# Allegro board SDHCalFEB.brd (continued)
## Routing (per net, layer and track width the routed paths; a pad name or vN(x,y) marks a point on that pad's centre or on a via; arc(x,y) is an arc through that point) (continued)
GEM_OUT_H22: length 9.5
  TOP w0.127: R605.1 80.71,232.2 v2(79.76,232.2) 79.75,232.2 78.84,232.2 R1684.2
  GND1 w0.127: v3(79.02,232.2) v2(79.76,232.2)
  SIG3 w0.127: v3(72.94,232.2) v3(79.02,232.2)
  GND3 w0.127: v4(72.2,232.2) v3(72.94,232.2)
GEM_OUT_H23: length 3.9
  TOP w0.127: R1681.2 82.2,229.24 v2(82.2,230.73) 83.16,230.73 R606.1
  GND1 w0.127: v3(82.2,231.46) v2(82.2,230.73)
  GND3 w0.127: v4(82.2,232.2) v3(82.2,231.46)
GEM_OUT_H24: length 4
  TOP w0.127: R1703.2 91.45,233.4 91.46,233.38 v2(91.46,232.94) 91.46,232.93 R607.1
  GND1 w0.127: v2(91.46,232.94) v3(92.2,232.94)
  GND3 w0.127: v4(92.2,232.2) v3(92.2,232.94)
GEM_OUT_H25: length 48
  TOP w0.127: R1736.2 24.16,240.59 v2(24.16,240.59) R608.1
  GND1 w0.127: v3(24.16,239.85) v2(24.16,240.59)
  SIG3 w0.127: v3(24.16,239.85) 41.22,222.79 54.86,222.79 55.45,222.2 v3(61.46,222.2)
  GND3 w0.127: v4(62.2,222.2) v3(61.46,222.2)
GEM_OUT_H26: length 30.7
  TOP w0.127: R609.1 v2(21.49,240.59) 21.49,240.59 R1744.2
  GND1 w0.127: v3(21.49,239.85) v2(21.49,240.59)
  SIG3 w0.127: v3(21.49,239.85) 39.14,222.2 v3(41.46,222.2)
  GND3 w0.127: v4(42.2,222.2) v3(41.46,222.2)
GEM_OUT_H27: length 38.8
  TOP w0.127: R1732.2 96.53,237.12 v2(96.52,237.11) R610.1
  GND1 w0.127: v2(96.52,237.11) v3(96.52,236.37)
  SIG3 w0.127: v3(71.46,222.2) 72.29,222.2 74.09,224 87.48,224 90.75,227.28 94.95,227.28 96.52,228.85 v3(96.52,236.37)
  GND3 w0.127: v4(72.2,222.2) v3(71.46,222.2)
GEM_OUT_H28: length 3.4
  TOP w0.127: R1728.2 82.93,221.47 v2(82.94,221.46) 82.95,221.47 R611.1
  GND1 w0.127: v2(82.94,221.46) 82.8,221.46 82.2,221.46 v3(82.2,221.46)
  GND3 w0.127: v4(82.2,222.2) v3(82.2,221.46)
GEM_OUT_H29: length 3.5
  TOP w0.127: R1724.2 92.91,221.44 v2(92.94,221.46) 92.95,221.45 R612.1
  GND1 w0.127: v3(92.2,221.46) v2(92.94,221.46)
  GND3 w0.127: v4(92.2,222.2) v3(92.2,221.46)
GEM_OUT_H31: length 32.3
  TOP w0.127: R614.1 v2(23.24,218.8) 22.29,218.8 R1740.2
  GND1 w0.127: v2(23.24,218.8) v3(23.98,218.8)
  SIG3 w0.127: v3(23.98,218.8) 39.32,218.8 42.72,222.2 v3(51.26,222.2)
  GND3 w0.127: v4(52.2,222.2) v3(51.26,222.2)
GEM_OUT_H34: length 22.4
  TOP w0.127: R1768.2 22.44,216.15 v2(23.39,216.15) R617.1
  GND1 w0.127: v3(24.13,216.15) v2(23.39,216.15)
  SIG3 w0.127: v3(41.46,212.2) 28.08,212.2 v3(24.13,216.15)
  GND3 w0.127: v4(42.2,212.2) v3(41.46,212.2)
GEM_OUT_H36: length 41
  TOP w0.127: R1764.2 21.23,193.72 v2(21.23,193.73) R619.1
  GND1 w0.127: v3(21.23,194.46) v2(21.23,193.73)
  SIG3 w0.127: v3(51.46,212.2) 49.91,210.64 37.41,210.64 v3(21.23,194.46)
  GND3 w0.127: v4(52.2,212.2) v3(51.46,212.2)
GEM_OUT_H37: length 4
  TOP w0.127: R620.1 93.95,212.94 v2(93.01,212.94) 93.01,212.49 93.01,212.48 R1748.2
  GND1 w0.127: v3(93.01,212.2) v2(93.01,212.94)
  GND3 w0.127: v4(92.2,212.2) v3(93.01,212.2)
GEM_OUT_H38: length 3.9
  TOP w0.127: R1752.2 82.95,212.17 82.94,212.19 v2(82.94,212.94) 83.06,213.06 R621.1
  GND1 w0.127: v3(82.94,212.2) v2(82.94,212.94)
  GND3 w0.127: v4(82.2,212.2) v3(82.94,212.2)
GEM_OUT_H39: length 19.2
  TOP w0.127: R622.1 v2(86.79,214.07) 86.79,213.63 86.79,213.62 R1756.2
  GND1 w0.127: v3(86.06,214.07) v2(86.79,214.07)
  SIG3 w0.127: v3(71.46,212.2) 74.86,212.2 75.92,213.26 83.92,213.26 84.73,214.07 v3(86.06,214.07)
  GND3 w0.127: v4(72.2,212.2) v3(71.46,212.2)
GEM_OUT_H40: length 48.1
  TOP w0.127: R623.1 v2(24.1,193.7) 24.1,193.7 R1760.2
  GND1 w0.127: v3(24.1,194.44) v2(24.1,193.7)
  SIG3 w0.127: v3(24.1,194.44) 39.19,209.52 58.79,209.52 v3(61.46,212.2)
  GND3 w0.127: v4(62.2,212.2) v3(61.46,212.2)
GEM_OUT_H42: length 28.9
  TOP w0.127: R1788.2 30.27,192.25 v2(30.27,192.25) R625.1
  GND1 w0.127: v2(30.27,192.25) v3(30.27,192.99)
  SIG3 w0.127: v3(30.27,192.99) 36.39,199.11 49.85,199.11 v3(52.2,201.46)
  GND3 w0.127: v4(52.2,202.2) v3(52.2,201.46)
GEM_OUT_H45: length 35.4
  TOP w0.127: R1784.2 32.79,193.52 v2(32.78,193.52) R628.1
  GND1 w0.127: v3(32.78,194.26) v2(32.78,193.52)
  SIG3 w0.127: v3(61.68,201.68) 54.26,194.26 v3(32.78,194.26)
  GND3 w0.127: v4(62.2,202.2) v3(61.68,201.68)
GEM_OUT_H47: length 3.4
  TOP w0.127: R630.1 93.68,202.21 v2(93.67,202.2) 93.66,202.21 R1772.2
  GND1 w0.127: v3(92.94,202.2) v2(93.67,202.2)
  GND3 w0.127: v4(92.2,202.2) v3(92.94,202.2)
GEM_OUT_H48: length 4
  TOP w0.127: v2(83.67,202.2) 83.68,202.21 R631.1 84.65,200.71 R1776.2
  GND1 w0.127: v3(82.94,202.2) v2(83.67,202.2)
  GND3 w0.127: v4(82.2,202.2) v3(82.94,202.2)
GEM_OUT_H49: length 8.1
  TOP w0.127: v2(77.9,202.2) 78.83,202.2 R632.1 78.84,202.19 R1780.2
  GND1 w0.127: v3(77.17,202.2) v2(77.9,202.2)
  SIG3 w0.127: v3(72.94,202.2) v3(77.17,202.2)
  GND3 w0.127: v4(72.2,202.2) v3(72.94,202.2)
GEM_OUT_H50: length 3.4
  TOP w0.127: R1792.2 42.21,200.73 v2(42.2,200.73) 42.19,200.72 R633.1
  GND1 w0.127: v3(42.2,201.46) v2(42.2,200.73)
  GND3 w0.127: v4(42.2,202.2) v3(42.2,201.46)
GEM_OUT_H53: length 4
  TOP w0.127: R1816.2 40.72,190.73 v2(42.2,190.73) 42.2,189.74 R636.1
  GND1 w0.127: v3(42.2,191.46) v2(42.2,190.73)
  GND3 w0.127: v4(42.2,192.2) v3(42.2,191.46)
GEM_OUT_H54: length 3.4
  TOP w0.127: R1840.2 41.7,182.2 v2(40.73,182.2) 39.77,182.2 R637.1
  GND1 w0.127: v3(41.46,182.2) v2(40.73,182.2)
  GND3 w0.127: v4(42.2,182.2) v3(41.46,182.2)
GEM_OUT_H55: length 3.4
  TOP w0.127: R1836.2 51.68,182.2 v2(50.73,182.2) 49.74,182.2 R638.1
  GND1 w0.127: v3(51.46,182.2) v2(50.73,182.2)
  GND3 w0.127: v4(52.2,182.2) v3(51.46,182.2)
GEM_OUT_H56: length 4
  TOP w0.127: R1812.2 50.73,190.71 v2(50.73,192.2) 49.74,192.2 R639.1
  GND1 w0.127: v3(51.46,192.2) v2(50.73,192.2)
  GND3 w0.127: v4(52.2,192.2) v3(51.46,192.2)
GEM_OUT_H57: length 3.9
  TOP w0.127: R1832.2 60.73,180.73 v2(60.73,182.2) 59.78,182.2 R640.1
  GND1 w0.127: v3(61.46,182.2) v2(60.73,182.2)
  GND3 w0.127: v4(62.2,182.2) v3(61.46,182.2)
GEM_OUT_H58: length 3.4
  TOP w0.127: R1828.2 71.7,182.2 v2(70.73,182.2) 69.78,182.2 R641.1
  GND1 w0.127: v3(71.46,182.2) v2(70.73,182.2)
  GND3 w0.127: v4(72.2,182.2) v3(71.46,182.2)
GEM_OUT_H59: length 3.4
  TOP w0.127: R642.1 79.77,182.2 v2(80.73,182.2) 80.73,182.19 R1824.2
  GND1 w0.127: v3(81.46,182.2) v2(80.73,182.2)
  GND3 w0.127: v4(82.2,182.2) v3(81.46,182.2)
GEM_OUT_H60: length 3.4
  TOP w0.127: R1820.2 91.67,182.2 v2(90.73,182.2) 89.75,182.2 R643.1
  GND1 w0.127: v3(91.46,182.2) v2(90.73,182.2)
  GND3 w0.127: v4(92.2,182.2) v3(91.46,182.2)
GEM_OUT_H61: length 3.9
  TOP w0.127: R1796.2 93.7,190.73 v2(92.2,190.73) 92.2,189.76 R644.1
  GND1 w0.127: v3(92.2,191.46) v2(92.2,190.73)
  GND3 w0.127: v4(92.2,192.2) v3(92.2,191.46)
GEM_OUT_H62: length 3.9
  TOP w0.127: R645.1 82.2,189.76 v2(82.2,190.73) 83.69,190.73 R1800.2
  GND1 w0.127: v3(82.2,191.46) v2(82.2,190.73)
  GND3 w0.127: v4(82.2,192.2) v3(82.2,191.46)
GEM_OUT_H63: length 3.4
  TOP w0.127: R1804.2 72.2,191.68 v2(72.2,190.73) 72.2,189.77 R646.1
  GND1 w0.127: v3(72.2,191.46) v2(72.2,190.73)
  GND3 w0.127: v4(72.2,192.2) v3(72.2,191.46)
GEM_OUT_H64: length 3.4
  TOP w0.127: R647.1 61.69,192.2 v2(60.73,192.2) 60.71,192.2 R1808.2
  GND1 w0.127: v3(61.46,192.2) v2(60.73,192.2)
  GND3 w0.127: v4(62.2,192.2) v3(61.46,192.2)
GEM_OUT_I1: length 5
  TOP w0.127: R667.1 332.2,158.22 v2(332.2,160.73) 333.17,160.73 R1919.2
  GND1 w0.127: v3(332.2,161.46) v2(332.2,160.73)
  GND3 w0.127: v4(332.2,162.2) v3(332.2,161.46)
GEM_OUT_I2: length 3.4
  TOP w0.127: R668.1 332.2,174.65 v2(332.2,173.67) 332.2,172.7 R1912.2
  GND1 w0.127: v3(332.2,172.94) v2(332.2,173.67)
  GND3 w0.127: v4(332.2,172.2) v3(332.2,172.94)
GEM_OUT_I3: length 3.4
  TOP w0.127: R669.1 v2(322.2,163.67) 322.2,162.7 R1957.2
  GND1 w0.127: v3(322.2,162.94) v2(322.2,163.67)
  GND3 w0.127: v4(322.2,162.2) v3(322.2,162.94)
GEM_OUT_I4: length 4
  TOP w0.127: R670.1 319.76,172.2 v2(320.73,172.2) 320.73,172.2 R1936.2
  GND1 w0.127: v3(321.46,172.2) v2(320.73,172.2)
  GND3 w0.127: v4(322.2,172.2) v3(321.46,172.2)
GEM_OUT_I5: length 3.4
  TOP w0.127: R1958.2 312.2,162.73 v2(312.2,163.67) 312.19,163.68 R671.1
  GND1 w0.127: v3(312.2,162.94) v2(312.2,163.67)
  GND3 w0.127: v4(312.2,162.2) v3(312.2,162.94)
GEM_OUT_I6: length 1.5
  TOP w0.127: R2168.1 R672.1
GEM_OUT_I7: length 3.4
  TOP w0.127: R1961.2 v2(302.2,163.67) 302.2,164.64 R673.1
  GND1 w0.127: v3(302.2,162.94) v2(302.2,163.67)
  GND3 w0.127: v4(302.2,162.2) v3(302.2,162.94)
GEM_OUT_I8: length 4
  TOP w0.127: R1914.2 300.73,173.7 v2(300.73,172.2) 299.75,172.2 R674.1
  GND1 w0.127: v3(301.46,172.2) v2(300.73,172.2)
  GND3 w0.127: v4(302.2,172.2) v3(301.46,172.2)
GEM_OUT_I9: length 3.4
  TOP w0.127: R675.1 292.2,164.65 v2(292.2,163.67) 292.2,162.7 R1965.2
  GND1 w0.127: v3(292.2,162.94) v2(292.2,163.67)
  GND3 w0.127: v4(292.2,162.2) v3(292.2,162.94)
GEM_OUT_I10: length 3.4
  TOP w0.127: R676.1 292.2,174.64 v2(292.2,173.67) 292.2,172.72 R1945.2
  GND1 w0.127: v3(292.2,172.94) v2(292.2,173.67)
  GND3 w0.127: v4(292.2,172.2) v3(292.2,172.94)
GEM_OUT_I11: length 3.4
  TOP w0.127: R1947.2 282.2,172.73 v2(282.2,173.67) 282.2,174.65 R677.1
  GND1 w0.127: v3(282.2,172.94) v2(282.2,173.67)
  GND3 w0.127: v4(282.2,172.2) v3(282.2,172.94)
GEM_OUT_I12: length 3.4
  TOP w0.127: R1926.2 282.2,162.72 v2(282.2,163.67) 282.2,164.63 R678.1
  GND1 w0.127: v3(282.2,162.94) v2(282.2,163.67)
  GND3 w0.127: v4(282.2,162.2) v3(282.2,162.94)
GEM_OUT_I13: length 4
  TOP w0.127: R679.1 274.65,172.2 v2(273.67,172.2) 273.67,173.7 R1949.2
  GND1 w0.127: v3(272.94,172.2) v2(273.67,172.2)
  GND3 w0.127: v4(272.2,172.2) v3(272.94,172.2)
GEM_OUT_I14: length 3.5
  TOP w0.127: R680.1 262.2,169.76 v2(262.2,170.73) 262.2,171.73 R1952.2
  GND1 w0.127: v3(262.2,171.46) v2(262.2,170.73)
  GND3 w0.127: v4(262.2,172.2) v3(262.2,171.46)
GEM_OUT_I15: length 3.9
  TOP w0.127: v2(283.67,152.2) 282.72,152.2 R681.1 282.71,152.21 R1996.2
  GND1 w0.127: v3(282.94,152.2) v2(283.67,152.2)
  GND3 w0.127: v4(282.2,152.2) v3(282.94,152.2)
GEM_OUT_I16: length 3.4
  TOP w0.127: R1927.2 272.72,162.2 v2(273.67,162.2) 274.65,162.2 R682.1
  GND1 w0.127: v3(272.94,162.2) v2(273.67,162.2)
  GND3 w0.127: v4(272.2,162.2) v3(272.94,162.2)
GEM_OUT_I17: length 3.4
  TOP w0.127: R1973.2 262.71,162.2 v2(263.67,162.2) 264.65,162.2 R683.1
  GND1 w0.127: v3(262.94,162.2) v2(263.67,162.2)
  GND3 w0.127: v4(262.2,162.2) v3(262.94,162.2)
GEM_OUT_I18: length 38.7
  TOP w0.127: R1992.2 257.85,159.18 v2(258.83,159.18) R684.1
  GND1 w0.127: v3(259.56,159.18) v2(258.83,159.18)
  SIG3 w0.127: v3(259.56,159.18) 285.95,159.18 v3(292.2,152.94)
  GND3 w0.127: v4(292.2,152.2) v3(292.2,152.94)
GEM_OUT_I19: length 3.4
  TOP w0.127: R2000.2 274.64,152.2 v2(273.67,152.2) 272.71,152.2 R685.1
  GND1 w0.127: v3(272.94,152.2) v2(273.67,152.2)
  GND3 w0.127: v4(272.2,152.2) v3(272.94,152.2)
GEM_OUT_I20: length 3.4
  TOP w0.127: R686.1 263.17,153.67 v2(262.2,153.67) 261.22,153.67 R2004.2
  GND1 w0.127: v3(262.2,152.94) v2(262.2,153.67)
  GND3 w0.127: v4(262.2,152.2) v3(262.2,152.94)
GEM_OUT_I21: length 45.1
  TOP w0.127: R1988.2 258.78,151.41 v2(259.74,151.41) R687.1
  GND1 w0.127: v2(259.74,151.41) v3(260.48,151.41)
  SIG3 w0.127: v3(302.2,151.46) 261.08,151.46 261.02,151.41 v3(260.48,151.41)
  GND3 w0.127: v4(302.2,152.2) v3(302.2,151.46)
GEM_OUT_I22: length 9.3
  TOP w0.127: R1984.2 v2(319.56,152.2) 320.52,152.2 R688.1
  GND1 w0.127: v3(318.82,152.2) v2(319.56,152.2)
  SIG3 w0.127: v3(318.82,152.2) v3(312.94,152.2)
  GND3 w0.127: v4(312.2,152.2) v3(312.94,152.2)
GEM_OUT_I23: length 3.4
  TOP w0.127: R689.1 323.17,150.73 v2(322.2,150.73) 321.21,150.73 R1933.2
  GND1 w0.127: v3(322.2,151.46) v2(322.2,150.73)
  GND3 w0.127: v4(322.2,152.2) v3(322.2,151.46)
GEM_OUT_I24: length 4
  TOP w0.127: R690.1 330.49,152.94 v2(331.46,152.94) 331.46,154.43 R1974.2
  GND1 w0.127: v3(332.2,152.94) v2(331.46,152.94)
  GND3 w0.127: v4(332.2,152.2) v3(332.2,152.94)
GEM_OUT_I25: length 24
  TOP w0.127: R2024.2 272.48,144.27 R691.1 v2(271.5,144.26)
  GND1 w0.127: v3(272.02,143.73) v2(271.5,144.26)
  SIG3 w0.127: v3(291.4,142.2) 282.41,142.2 280.88,143.73 v3(272.02,143.73)
  GND3 w0.127: v4(292.2,142.2) v3(291.4,142.2)
GEM_OUT_I26: length 11.9
  TOP w0.127: R2028.2 274.06,142.04 R692.1 v2(273.1,142.05)
  GND1 w0.127: v3(273.84,142.05) v2(273.1,142.05)
  SIG3 w0.127: v3(273.84,142.05) 274.2,141.68 v3(281.68,141.68)
  GND3 w0.127: v4(282.2,142.2) v3(281.68,141.68)
GEM_OUT_I27: length 20
  TOP w0.127: R2016.2 328.77,144.65 v2(327.79,144.65) R693.1
  GND1 w0.127: v3(327.05,144.65) v2(327.79,144.65)
  SIG3 w0.127: v3(327.05,144.65) 325.7,143.31 314.07,143.31 312.44,141.68 v3(311.68,141.68)
  GND3 w0.127: v4(312.2,142.2) v3(311.68,141.68)
GEM_OUT_I28: length 3.4
  TOP w0.127: R694.1 324.63,142.2 v2(323.67,142.2) 322.71,142.2 R2012.2
  GND1 w0.127: v3(322.94,142.2) v2(323.67,142.2)
  GND3 w0.127: v4(322.2,142.2) v3(322.94,142.2)
GEM_OUT_I29: length 3.4
  TOP w0.127: R2008.2 332.7,142.2 v2(333.67,142.2) 334.64,142.2 R695.1
  GND1 w0.127: v3(332.94,142.2) v2(333.67,142.2)
  GND3 w0.127: v4(332.2,142.2) v3(332.94,142.2)
GEM_OUT_I30: length 3.4
  TOP w0.127: R696.1 270.72,142.19 v2(270.73,142.2) 270.73,142.2 R2032.2
  GND1 w0.127: v3(271.46,142.2) v2(270.73,142.2)
  GND3 w0.127: v4(272.2,142.2) v3(271.46,142.2)
GEM_OUT_I31: length 45.6
  TOP w0.127: R697.1 v2(261.57,147.29) 260.08,147.29 R2020.2
  GND1 w0.127: v2(261.57,147.29) v3(261.57,146.56)
  SIG3 w0.127: v3(301.46,142.2) 295.37,142.2 294.79,142.77 283.03,142.77 279.25,146.56 v3(261.57,146.56)
  GND3 w0.127: v4(302.2,142.2) v3(301.46,142.2)
GEM_OUT_I32: length 3.9
  TOP w0.127: R698.1 262.94,140.51 v2(262.94,141.46) 261.48,141.46 R2036.2
  GND1 w0.127: v2(262.94,141.46) v3(262.2,141.46)
  GND3 w0.127: v4(262.2,142.2) v3(262.2,141.46)
GEM_OUT_I33: length 3.9
  TOP w0.127: R2068.2 260.73,133.67 v2(262.2,133.67) 262.2,134.65 R699.1
  GND1 w0.127: v3(262.2,132.94) v2(262.2,133.67)
  GND3 w0.127: v4(262.2,132.2) v3(262.2,132.94)
GEM_OUT_I34: length 32.8
  TOP w0.127: R700.1 v2(263.19,127.77) 264.16,127.77 R2056.2
  GND1 w0.127: v3(263.93,127.77) v2(263.19,127.77)
  SIG3 w0.127: v3(263.93,127.77) 279.28,127.77 283.71,132.2 v3(291.46,132.2)
  GND3 w0.127: v4(292.2,132.2) v3(291.46,132.2)
GEM_OUT_I35: length 3.5
  TOP w0.127: R2064.2 270.75,132.2 v2(270.73,132.2) 269.77,132.2 R701.1
  GND1 w0.127: v3(271.46,132.2) v2(270.73,132.2)
  GND3 w0.127: v4(272.2,132.2) v3(271.46,132.2)
GEM_OUT_I36: length 36.8
  TOP w0.127: R2052.2 270.14,127.71 R702.1 v2(270.13,126.75)
  GND1 w0.127: v2(270.13,126.75) v3(270.87,126.75)
  SIG3 w0.127: v3(301.46,132.2) 299.06,129.79 282.73,129.79 279.68,126.75 v3(270.87,126.75)
  GND3 w0.127: v4(302.2,132.2) v3(301.46,132.2)
GEM_OUT_I37: length 4
  TOP w0.127: R703.1 332.2,134.67 v2(332.2,133.67) 333.69,133.67 R2040.2
  GND1 w0.127: v3(332.2,132.94) v2(332.2,133.67)
  GND3 w0.127: v4(332.2,132.2) v3(332.2,132.94)
GEM_OUT_I38: length 3.4
  TOP w0.127: R2044.2 322.71,132.2 v2(323.67,132.2) 324.63,132.2 R704.1
  GND1 w0.127: v3(322.94,132.2) v2(323.67,132.2)
  GND3 w0.127: v4(322.2,132.2) v3(322.94,132.2)
GEM_OUT_I39: length 22.3
  TOP w0.127: R705.1 v2(329.62,128.6) 330.59,128.6 R2048.2
  GND1 w0.127: v3(328.88,128.6) v2(329.62,128.6)
  SIG3 w0.127: v3(311.46,132.2) 312.38,132.2 315.98,128.6 v3(328.88,128.6)
  GND3 w0.127: v4(312.2,132.2) v3(311.46,132.2)
GEM_OUT_I40: length 7.6
  TOP w0.127: v2(280.73,132.2) 277.87,129.35 R706.1 275.76,129.35 R2060.2
  GND1 w0.127: v3(281.46,132.2) v2(280.73,132.2)
  GND3 w0.127: v4(282.2,132.2) v3(281.46,132.2)
GEM_OUT_I41: length 3.9
  TOP w0.127: R707.1 262.2,123.68 v2(262.2,123.67) 260.72,123.67 R2100.2
  GND1 w0.127: v3(262.2,122.94) v2(262.2,123.67)
  GND3 w0.127: v4(262.2,122.2) v3(262.2,122.94)
GEM_OUT_I42: length 36.5
  TOP w0.127: R708.1 v2(260.5,116.37) 259.53,116.37 R2088.2
  GND1 w0.127: v2(260.5,116.37) v3(261.24,116.37)
  SIG3 w0.127: v3(261.24,116.37) 287.1,116.37 v3(292.2,121.46)
  GND3 w0.127: v4(292.2,122.2) v3(292.2,121.46)
GEM_OUT_I43: length 4
  TOP w0.127: R709.1 v2(260.73,112.2) 260.73,110.71 R2131.2
  GND1 w0.127: v3(261.46,112.2) v2(260.73,112.2)
  GND3 w0.127: v4(262.2,112.2) v3(261.46,112.2)
GEM_OUT_I44: length 3.9
  TOP w0.127: v2(272.2,120.73) 271.23,120.73 R710.1 271.22,119.25 R2096.2
  GND1 w0.127: v3(272.2,121.46) v2(272.2,120.73)
  GND3 w0.127: v4(272.2,122.2) v3(272.2,121.46)
GEM_OUT_I45: length 35.1
  TOP w0.127: R2084.2 272.28,114.33 v2(273.75,114.33) R711.1
  GND1 w0.127: v3(273.75,115.06) v2(273.75,114.33)
  SIG3 w0.127: v3(273.75,115.06) 295.91,115.06 v3(302.2,121.35)
  GND3 w0.127: v4(302.2,122.2) v3(302.2,121.35)
GEM_OUT_I46: length 3.5
  TOP w0.127: R712.1 v2(271.46,111.46) 270.47,111.46 R2127.2
  GND1 w0.127: v3(272.2,111.46) v2(271.46,111.46)
  GND3 w0.127: v4(272.2,112.2) v3(272.2,111.46)
GEM_OUT_I47: length 4
  TOP w0.127: R713.1 332.21,123.68 v2(332.2,123.67) 333.69,123.67 R2072.2
  GND1 w0.127: v3(332.2,122.94) v2(332.2,123.67)
  GND3 w0.127: v4(332.2,122.2) v3(332.2,122.94)
GEM_OUT_I48: length 4
  TOP w0.127: R714.1 v2(323.67,122.2) 323.67,120.71 R2076.2
  GND1 w0.127: v3(322.94,122.2) v2(323.67,122.2)
  GND3 w0.127: v4(322.2,122.2) v3(322.94,122.2)
GEM_OUT_I49: length 8.9
  TOP w0.127: R2080.2 318.59,120.71 v2(318.59,122.2) 319.57,122.2 R715.1
  GND1 w0.127: v3(317.85,122.2) v2(318.59,122.2)
  SIG3 w0.127: v3(312.94,122.2) v3(317.85,122.2)
  GND3 w0.127: v4(312.2,122.2) v3(312.94,122.2)
GEM_OUT_I50: length 3.4
  TOP w0.127: R2092.2 282.2,121.68 v2(282.2,120.73) 282.2,119.77 R716.1
  GND1 w0.127: v3(282.2,121.46) v2(282.2,120.73)
  GND3 w0.127: v4(282.2,122.2) v3(282.2,121.46)
GEM_OUT_I51: length 3.4
  TOP w0.127: R717.1 262.2,104.65 v2(262.2,103.67) 262.2,102.74 R2163.2
  GND1 w0.127: v3(262.2,102.94) v2(262.2,103.67)
  GND3 w0.127: v4(262.2,102.2) v3(262.2,102.94)
GEM_OUT_I52: length 3.9
  TOP w0.127: R2159.2 269.24,102.2 v2(270.73,102.2) 270.73,103.14 R718.1
  GND1 w0.127: v3(271.46,102.2) v2(270.73,102.2)
  GND3 w0.127: v4(272.2,102.2) v3(271.46,102.2)
GEM_OUT_I53: length 3.9
  TOP w0.127: v2(282.2,110.73) 282.2,109.77 R719.1 280.72,109.76 R2123.2
  GND1 w0.127: v3(282.2,111.46) v2(282.2,110.73)
  GND3 w0.127: v4(282.2,112.2) v3(282.2,111.46)
GEM_OUT_I54: length 3.9
  TOP w0.127: R720.1 279.78,102.2 v2(280.73,102.2) 280.73,100.74 R2155.2
  GND1 w0.127: v3(281.46,102.2) v2(280.73,102.2)
  GND3 w0.127: v4(282.2,102.2) v3(281.46,102.2)
GEM_OUT_I55: length 3.4
  TOP w0.127: R721.1 v2(290.73,102.2) 291.67,102.2 R2151.2
  GND1 w0.127: v3(291.46,102.2) v2(290.73,102.2)
  GND3 w0.127: v4(292.2,102.2) v3(291.46,102.2)
GEM_OUT_I56: length 3.9
  TOP w0.127: R722.1 289.78,112.2 v2(290.73,112.2) 290.73,110.71 R2119.2
  GND1 w0.127: v3(291.46,112.2) v2(290.73,112.2)
  GND3 w0.127: v4(292.2,112.2) v3(291.46,112.2)
GEM_OUT_I57: length 3.9
  TOP w0.127: R2147.2 300.73,100.73 v2(300.73,102.2) 299.77,102.2 R723.1
  GND1 w0.127: v3(301.46,102.2) v2(300.73,102.2)
  GND3 w0.127: v4(302.2,102.2) v3(301.46,102.2)
GEM_OUT_I58: length 3.4
  TOP w0.127: R2143.2 311.7,102.2 v2(310.73,102.2) 309.78,102.2 R724.1
  GND1 w0.127: v3(311.46,102.2) v2(310.73,102.2)
  GND3 w0.127: v4(312.2,102.2) v3(311.46,102.2)
GEM_OUT_I59: length 3.4
  TOP w0.127: R725.1 319.76,102.2 v2(320.73,102.2) 321.67,102.2 R2139.2
  GND1 w0.127: v3(321.46,102.2) v2(320.73,102.2)
  GND3 w0.127: v4(322.2,102.2) v3(321.46,102.2)
GEM_OUT_I60: length 3.4
  TOP w0.127: R2135.2 331.69,102.2 v2(330.73,102.2) 329.74,102.2 R726.1
  GND1 w0.127: v3(331.46,102.2) v2(330.73,102.2)
  GND3 w0.127: v4(332.2,102.2) v3(331.46,102.2)
GEM_OUT_I61: length 3.4
  TOP w0.127: R2104.2 332.2,111.7 v2(332.2,110.73) 332.2,109.75 R727.1
  GND1 w0.127: v3(332.2,111.46) v2(332.2,110.73)
  GND3 w0.127: v4(332.2,112.2) v3(332.2,111.46)
GEM_OUT_I62: length 4
  TOP w0.127: R728.1 322.2,109.75 v2(322.2,110.73) 323.68,110.73 R2107.2
  GND1 w0.127: v3(322.2,111.46) v2(322.2,110.73)
  GND3 w0.127: v4(322.2,112.2) v3(322.2,111.46)
GEM_OUT_I63: length 3.9
  TOP w0.127: R2111.2 313.67,110.73 v2(312.2,110.73) 312.2,109.75 R729.1
  GND1 w0.127: v3(312.2,111.46) v2(312.2,110.73)
  GND3 w0.127: v4(312.2,112.2) v3(312.2,111.46)
GEM_OUT_I64: length 3.4
  TOP w0.127: R2115.2 300.73,112.23 v2(300.73,112.2) R730.1
  GND1 w0.127: v3(301.46,112.2) v2(300.73,112.2)
  GND3 w0.127: v4(302.2,112.2) v3(301.46,112.2)
GEM_OUT_J1: length 5
  TOP w0.127: R1920.2 253.16,160.73 v2(252.2,160.73) 252.2,158.23 R751.1
  GND1 w0.127: v3(252.2,161.46) v2(252.2,160.73)
  GND3 w0.127: v4(252.2,162.2) v3(252.2,161.46)
GEM_OUT_J2: length 3.4
  TOP w0.127: R752.1 252.2,174.64 v2(252.2,173.67) 252.2,172.7 R1913.2
  GND1 w0.127: v3(252.2,172.94) v2(252.2,173.67)
  GND3 w0.127: v4(252.2,172.2) v3(252.2,172.94)
GEM_OUT_J3: length 3.4
  TOP w0.127: R753.1 242.2,164.62 v2(242.2,163.67) 242.2,162.69 R1976.2
  GND1 w0.127: v3(242.2,162.94) v2(242.2,163.67)
  GND3 w0.127: v4(242.2,162.2) v3(242.2,162.94)
GEM_OUT_J4: length 4
  TOP w0.127: R1937.2 240.73,173.7 v2(240.73,172.2) 239.75,172.2 R754.1
  GND1 w0.127: v3(241.46,172.2) v2(240.73,172.2)
  GND3 w0.127: v4(242.2,172.2) v3(241.46,172.2)
GEM_OUT_J5: length 3.4
  TOP w0.127: R1959.2 232.2,162.71 v2(232.2,163.67) 232.2,164.64 R755.1
  GND1 w0.127: v3(232.2,162.94) v2(232.2,163.67)
  GND3 w0.127: v4(232.2,162.2) v3(232.2,162.94)
GEM_OUT_J6: length 1.5
  TOP w0.127: R756.1 R2169.1
GEM_OUT_J7: length 3.4
  TOP w0.127: R1962.2 222.2,162.73 v2(222.2,163.67) R757.1
  GND1 w0.127: v3(222.2,162.94) v2(222.2,163.67)
  GND3 w0.127: v4(222.2,162.2) v3(222.2,162.94)
GEM_OUT_J8: length 4
  TOP w0.127: R1924.2 v2(220.73,172.2) 219.76,172.2 R758.1
  GND1 w0.127: v3(221.46,172.2) v2(220.73,172.2)
  GND3 w0.127: v4(222.2,172.2) v3(221.46,172.2)
GEM_OUT_J9: length 3.4
  TOP w0.127: R759.1 212.2,164.64 v2(212.2,163.67) 212.2,162.72 R1966.2
  GND1 w0.127: v3(212.2,162.94) v2(212.2,163.67)
  GND3 w0.127: v4(212.2,162.2) v3(212.2,162.94)
GEM_OUT_J10: length 3.5
  TOP w0.127: R760.1 212.2,174.64 v2(212.2,173.67) 212.2,172.68 R1915.2
  GND1 w0.127: v3(212.2,172.94) v2(212.2,173.67)
  GND3 w0.127: v4(212.2,172.2) v3(212.2,172.94)
GEM_OUT_J11: length 3.4
  TOP w0.127: R1975.2 202.2,172.71 v2(202.2,173.67) 202.2,174.64 R761.1
  GND1 w0.127: v3(202.2,172.94) v2(202.2,173.67)
  GND3 w0.127: v4(202.2,172.2) v3(202.2,172.94)
GEM_OUT_J12: length 3.4
  TOP w0.127: R1969.2 v2(202.2,163.67) 202.2,164.64 R762.1
  GND1 w0.127: v3(202.2,162.94) v2(202.2,163.67)
  GND3 w0.127: v4(202.2,162.2) v3(202.2,162.94)
GEM_OUT_J13: length 4
  TOP w0.127: R763.1 194.64,172.2 v2(193.67,172.2) 193.67,173.71 R1950.2
  GND1 w0.127: v3(192.94,172.2) v2(193.67,172.2)
  GND3 w0.127: v4(192.2,172.2) v3(192.94,172.2)
GEM_OUT_J14: length 3.4
  TOP w0.127: R764.1 182.2,169.75 v2(182.2,170.73) 182.2,171.7 R1953.2
  GND1 w0.127: v3(182.2,171.46) v2(182.2,170.73)
  GND3 w0.127: v4(182.2,172.2) v3(182.2,171.46)
GEM_OUT_J15: length 3.9
  TOP w0.127: v2(203.67,152.2) 202.71,152.2 R765.1 202.71,153.67 R1997.2
  GND1 w0.127: v3(202.94,152.2) v2(203.67,152.2)
  GND3 w0.127: v4(202.2,152.2) v3(202.94,152.2)
GEM_OUT_J16: length 3.4
  TOP w0.127: R1928.2 192.71,162.2 v2(193.67,162.2) 194.64,162.2 R766.1
  GND1 w0.127: v3(192.94,162.2) v2(193.67,162.2)
  GND3 w0.127: v4(192.2,162.2) v3(192.94,162.2)
GEM_OUT_J17: length 3.4
  TOP w0.127: R767.1 184.64,162.2 v2(183.67,162.2) 182.71,162.2 R1930.2
  GND1 w0.127: v3(182.94,162.2) v2(183.67,162.2)
  GND3 w0.127: v4(182.2,162.2) v3(182.94,162.2)
GEM_OUT_J18: length 38.4
  TOP w0.127: R768.1 v2(178.74,159.59) 177.79,159.59 R1993.2
  GND1 w0.127: v3(179.48,159.59) v2(178.74,159.59)
  SIG3 w0.127: v3(179.48,159.59) 204.08,159.59 v3(211.46,152.2)
  GND3 w0.127: v4(212.2,152.2) v3(211.46,152.2)
GEM_OUT_J19: length 3.4
  TOP w0.127: R2001.2 194.63,152.2 v2(193.67,152.2) 192.7,152.2 R769.1
  GND1 w0.127: v3(192.94,152.2) v2(193.67,152.2)
  GND3 w0.127: v4(192.2,152.2) v3(192.94,152.2)
GEM_OUT_J20: length 3.4
  TOP w0.127: R2005.2 181.21,153.67 v2(182.2,153.67) 183.16,153.67 R770.1
  GND1 w0.127: v3(182.2,152.94) v2(182.2,153.67)
  GND3 w0.127: v4(182.2,152.2) v3(182.2,152.94)
GEM_OUT_J21: length 45.2
  TOP w0.127: R771.1 v2(179.76,151.41) 178.8,151.41 R1989.2
  GND1 w0.127: v3(180.49,151.41) v2(179.76,151.41)
  SIG3 w0.127: v3(180.49,151.41) 221.58,151.41 221.63,151.46 v3(222.2,151.46)
  GND3 w0.127: v4(222.2,152.2) v3(222.2,151.46)
GEM_OUT_J22: length 9.4
  TOP w0.127: R772.1 240.61,152.2 v2(239.65,152.2) R1985.2
  GND1 w0.127: v3(238.91,152.2) v2(239.65,152.2)
  SIG3 w0.127: v3(232.94,152.2) v3(238.91,152.2)
  GND3 w0.127: v4(232.2,152.2) v3(232.94,152.2)
GEM_OUT_J23: length 3.4
  TOP w0.127: R1981.2 241.23,150.73 v2(242.2,150.73) 243.16,150.73 R773.1
  GND1 w0.127: v3(242.2,151.46) v2(242.2,150.73)
  GND3 w0.127: v4(242.2,152.2) v3(242.2,151.46)
GEM_OUT_J24: length 4.5
  TOP w0.127: v2(252.2,150.73) 252.2,149.81 252.21,149.8 R774.1 252.21,147.75 R1978.2
  GND1 w0.127: v3(252.2,151.46) v2(252.2,150.73)
  GND3 w0.127: v4(252.2,152.2) v3(252.2,151.46)
GEM_OUT_J25: length 23.8
  TOP w0.127: v2(191.54,143.95) R775.1 192.49,143.96 R2025.2
  GND1 w0.127: v2(191.54,143.95) v3(192.28,143.95)
  SIG3 w0.127: v3(192.28,143.95) 200.4,143.95 202.15,142.2 v3(211.46,142.2)
  GND3 w0.127: v4(212.2,142.2) v3(211.46,142.2)